# Altium PCB SDR.PcbDoc (part 2 of 5)
Units mil, origin at the board's own origin, x right, y up, seen from the top; angles counter-clockwise.
Board outline 5725 x 2750 mil, 6 copper layers (Top Layer, Mid-Layer 1, Mid-Layer 2, Mid-Layer 3, Mid-Layer 4, Bottom Layer), stack 58.26 mil thick; 401 components, 323 nets, 1707 pads, 954 vias.
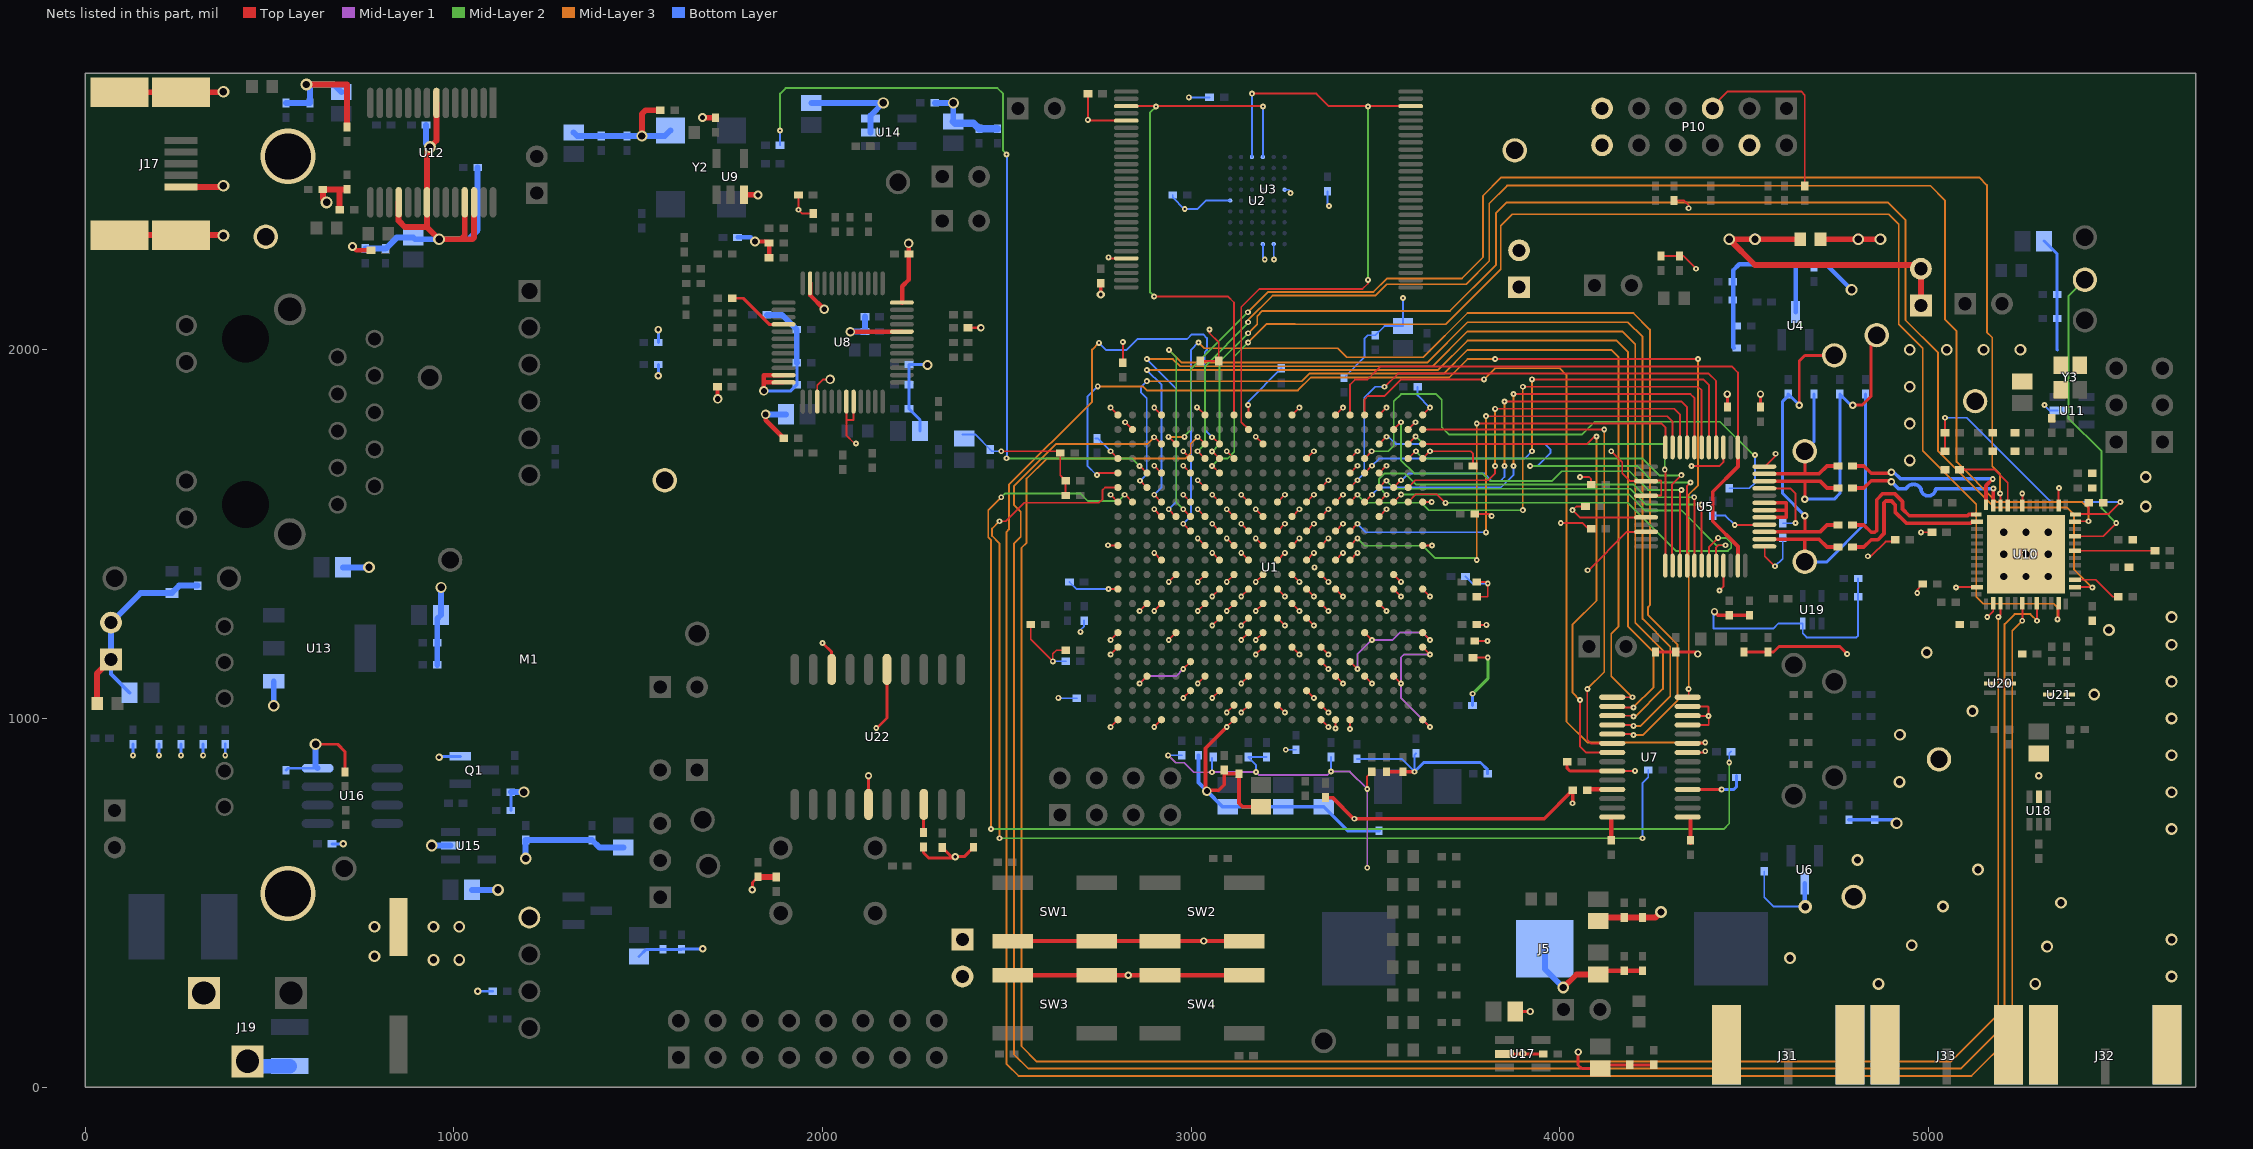
[diagram p6: the nets of this part, all layers, seen from the top]

## Footprints (in the part's own frame and the unit in brackets; to place one, negate y for a bottom-side part, rotate by r counter-clockwise, add the part's x,y. Pads: shape width x height; smd on the part's side, far side on the other; paste and mask are expansions set on the pad) (continued)
SOT223-4L [mil] "SOT223, 4-Leads, Body 6.5x3.5mm, Pitch 2.3mm, Lead Span 7mm, IPC High Density"
  rect 59x39 smd: 1(-124,90) 2(-124,0) 3(-124,-90)
  rect 59x129 smd: 4(124,0)
  silkscreen extent -117,-132 65,135, body extent -73,-132 73,132, height 71
SOT353-5N [mm] "SOT353, 5-Leads, Body 2x1.3mm, Pitch 0.65mm, Lead Span 2.1mm, IPC Medium Density"
  rect 0.85x0.4 smd: 1(-0.95,0.65) 2(-0.95,0) 3(-0.95,-0.65) 4(0.95,-0.65) 5(0.95,0.65)
  silkscreen extent -1.07,-1.1 0.15,1.53, body extent -0.7,-1.1 0.7,1.1, height 1.1
SOT363-6N [mm] "SOT363, 6-Leads, Body 2x1.3mm, Pitch 0.65mm, Lead Span 2.1mm, IPC Medium Density"
  rect 0.85x0.4 smd: 1(-0.95,0.65) 2(-0.95,0) 3(-0.95,-0.65) 4(0.95,-0.65) 5(0.95,0) 6(0.95,0.65)
  silkscreen extent -1.07,-1.1 0.15,1.53, body extent -0.7,-1.1 0.7,1.1, height 1
SSOP65P780X200-28N [mm] "SSOP, 28-Leads, Body 10.3x5.6mm (max), Pitch 0.65mm, IPC Medium Density"
  rect 2.1x0.45 smd: 1(-3.425,4.225)
  oval 2.1x0.45 smd: 2(-3.425,3.575) 3(-3.425,2.925) 4(-3.425,2.275) 5(-3.425,1.625) 6(-3.425,0.975) 7(-3.425,0.325) 8(-3.425,-0.325) 9(-3.425,-0.975) 10(-3.425,-1.625) 11(-3.425,-2.275) 12(-3.425,-2.925) 13(-3.425,-3.575) 14(-3.425,-4.225) 15(3.425,-4.225) 16(3.425,-3.575) 17(3.425,-2.925) 18(3.425,-2.275) 19(3.425,-1.625) 20(3.425,-0.975) 21(3.425,-0.325) 22(3.425,0.325) 23(3.425,0.975) 24(3.425,1.625) 25(3.425,2.275) 26(3.425,2.925) 27(3.425,3.575) 28(3.425,4.225)
  silkscreen extent -3.55,-5.15 1.97,5.15, body extent -2.8,-5.17 2.8,5.17, height 2
STS1400PC04 [mm] "Slide Switch 4 pos"
  round 1.25 hole 0.89: 1(0,0) 2(2.48,0) 3(7.48,0) 4(9.96,0) 5(12.44,0)
  silkscreen extent -4,-3.05 13.94,3.05, body extent -4,-3 13.9,3, height 9.21
TestPoint [mm]
  round 1.68 hole 1.2: 1(0,0)
  body extent -1.26,-1.27 1.27,1.27, height 4.57
TQFN-48 [mm]
  rect 0.75x0.3 smd: 1(-3.425,2.75) 12(-3.425,-2.75) 25(3.425,-2.75) 36(3.425,2.75)
  rect 0.85x0.3 smd: 2(-3.375,2.25) 3(-3.375,1.75) 4(-3.375,1.25) 5(-3.375,0.75) 6(-3.375,0.25) 7(-3.375,-0.25) 8(-3.375,-0.75) 9(-3.375,-1.25) 10(-3.375,-1.75) 11(-3.375,-2.25) 26(3.375,-2.25) 27(3.375,-1.75) 28(3.375,-1.25) 29(3.375,-0.75) 30(3.375,-0.25) 31(3.375,0.25) 32(3.375,0.75) 33(3.375,1.25) 34(3.375,1.75) 35(3.375,2.25)
  rect 0.3x0.75 smd: 13(-2.75,-3.425) 24(2.75,-3.425) 37(2.75,3.425) 48(-2.75,3.425)
  rect 0.3x0.85 smd: 14(-2.25,-3.375) 15(-1.75,-3.375) 16(-1.25,-3.375) 17(-0.75,-3.375) 18(-0.25,-3.375) 19(0.25,-3.375) 20(0.75,-3.375) 21(1.25,-3.375) 22(1.75,-3.375) 23(2.25,-3.375) 38(2.25,3.375) 39(1.75,3.375) 40(1.25,3.375) 41(0.75,3.375) 42(0.25,3.375) 43(-0.25,3.375) 44(-0.75,3.375) 45(-1.25,3.375) 46(-1.75,3.375) 47(-2.25,3.375)
  rect 5.4x5.4 smd: 49(0,0)
  silkscreen extent -3.96,-3.5 3.5,3.5, body extent -3.62,-3.62 3.62,3.62, height 1
TSQFP50P900X900X160-48N [mm] "TSQFP, 48-Leads, Body 9.0x9.0mm (max), Pitch 0.50mm, IPC Medium Density"
  oval 1.65x0.3 smd: 1(-4.075,2.75) 2(-4.075,2.25) 3(-4.075,1.75) 4(-4.075,1.25) 5(-4.075,0.75) 6(-4.075,0.25) 7(-4.075,-0.25) 8(-4.075,-0.75) 9(-4.075,-1.25) 10(-4.075,-1.75) 11(-4.075,-2.25) 12(-4.075,-2.75) 25(4.075,-2.75) 26(4.075,-2.25) 27(4.075,-1.75) 28(4.075,-1.25) 29(4.075,-0.75) 30(4.075,-0.25) 31(4.075,0.25) 32(4.075,0.75) 33(4.075,1.25) 34(4.075,1.75) 35(4.075,2.25) 36(4.075,2.75)
  oval 0.3x1.65 smd: 13(-2.75,-4.075) 14(-2.25,-4.075) 15(-1.75,-4.075) 16(-1.25,-4.075) 17(-0.75,-4.075) 18(-0.25,-4.075) 19(0.25,-4.075) 20(0.75,-4.075) 21(1.25,-4.075) 22(1.75,-4.075) 23(2.25,-4.075) 24(2.75,-4.075) 37(2.75,4.075) 38(2.25,4.075) 39(1.75,4.075) 40(1.25,4.075) 41(0.75,4.075) 42(0.25,4.075) 43(-0.25,4.075) 44(-0.75,4.075) 45(-1.25,4.075) 46(-1.75,4.075) 47(-2.25,4.075) 48(-2.75,4.075)
  silkscreen extent -4.2,-2.85 2.85,3.57, body extent -3.5,-3.5 3.5,3.5, height 1.6
TSSOP50P2000X120-56N [mm] "TSSOP, 56-Leads, Body 14.1x18.5mm (max), Pitch 0.50mm, IPC Medium Density"
  oval 1.7x0.3 smd: 1(-9.8,6.75) 2(-9.8,6.25) 3(-9.8,5.75) 4(-9.8,5.25) 5(-9.8,4.75) 6(-9.8,4.25) 7(-9.8,3.75) 8(-9.8,3.25) 9(-9.8,2.75) 10(-9.8,2.25) 11(-9.8,1.75) 12(-9.8,1.25) 13(-9.8,0.75) 14(-9.8,0.25) 15(-9.8,-0.25) 16(-9.8,-0.75) 17(-9.8,-1.25) 18(-9.8,-1.75) 19(-9.8,-2.25) 20(-9.8,-2.75) 21(-9.8,-3.25) 22(-9.8,-3.75) 23(-9.8,-4.25) 24(-9.8,-4.75) 25(-9.8,-5.25) 26(-9.8,-5.75) 27(-9.8,-6.25) 28(-9.8,-6.75) 29(9.8,-6.75) 30(9.8,-6.25) 31(9.8,-5.75) 32(9.8,-5.25) 33(9.8,-4.75) 34(9.8,-4.25) 35(9.8,-3.75) 36(9.8,-3.25) 37(9.8,-2.75) 38(9.8,-2.25) 39(9.8,-1.75) 40(9.8,-1.25) 41(9.8,-0.75) 42(9.8,-0.25) 43(9.8,0.25) 44(9.8,0.75) 45(9.8,1.25) 46(9.8,1.75) 47(9.8,2.25) 48(9.8,2.75) 49(9.8,3.25) 50(9.8,3.75) 51(9.8,4.25) 52(9.8,4.75) 53(9.8,5.25) 54(9.8,5.75) 55(9.8,6.25) 56(9.8,6.75)
  silkscreen extent -9.93,-7.05 8.55,7.57, body extent -9.25,-7.05 9.25,7.05, height 1.2

## Part data
C1 C2 C3 C4 C5 C6 C9 C10 C11 C12 C14 C15 C16 C17 C18 C19 C20 C21 C22 C23 C24 C25 C26 C27 C28 C29 C30 C31 C32 C33 C34 C35 C36 C37 C38 C39 C40 C41 C42 C43 C44 C45 C46 C50 C51 C54 C55 C56 C57 C58 C59 C60 C61 C62 C63 C64 C65 C66 C67 C68 C69 C70 C71 C72 C73 C74 C75 C76 C77 C78 C79 C80 C81 C82 C83 C84 C85 C86 C87 C88 C89 C90 C91 C93 C94 C95 C96 C98 C99 C100 C102 C103 C104 C105 C106 C107 C108 C109 C110 C112 C113 C114 C115 C116 C117 C118 C119 C120 C121 C122 C124 C125 C126 C127 C128 C130 C133 C134 C135 C136 C137 C138 C139 C140 C141 C142 C143 C144 C146 C147 C148 C149 C150 C151 C154 C155 C156 C157 C158 C162 C163 C164 C167 C168 C169 C170 C171 C172 C174 C175 C177 C178 C180 C181 C182 C184 C185 C186 C189 C190 C191: library part "Cap Semi", "Capacitor (Semiconductor SIM Model)"
C7 C8 C13 C47 C48 C49 C52 C53 C92 C97 C101 C123 C129 C131 C145 C152 C153 C159 C160 C161 C165 C166 C173 C176 C179 C183: library part "Cap Pol3", "Polarized Capacitor (Surface Mount)"
C111: library part Cap
C132 C187 C188: "Capacitor (Semiconductor SIM Model)"
D1 D2 D3 D4 D5 D6 D7 D8 D9 D10: "Typical RED, GREEN, YELLOW, AMBER GaAs LED"
FB1 FB2 FB3 FB4 FB5 FB6 FB7 FB8 FB9 FB10 FB11 FB12: library part "Ferrite Bead", "FERRITE CHIP 30 OHM 1000MA 0603"
J1 J2 J3 J4 J6 J7 J8 J9 J11 J12 J13 J14 J15 J16 J18 J20 J21 J22 J23 J24 J25 J26 J27 J28 J29 J30 J34: library part TestPoint, "TEST POINT PC MINI .040\"D YELLOW"
J5: "HOLDER BATTERY COIN 20MM DIA SMD"
J10: library part "Ethernet Jack PoE", "CONN RJ45 8-8 W/TRANSFORMER"
J17: library part "Mini USB", "CONN RECEPT MINIUSB R/A 5POS SMD"
J19: "CONN PWR JACK 2.1X5.5MM HIGH CUR"
J31 J32 J33: library part SMA_connector, "CONN JACK END LAUNCH PC GOLD SMA"
L1 L2 L3: library part Inductor, "Inductor"
L4: library part Inductor
M1: "Silver Telecom AG9205S POE"
P1 P2 P3 P4 P5 P6 P7 P8 P9 P10 P11 P12 P13 P14 P15 P16 P17 P18 P19 P20 P21: "100 mils standard header"
Q1 Q2: "TRANSISTOR NPN GP 40V SOT23"
R1 R2 R4 R5 R6 R7 R8 R9 R10 R11 R12 R13 R14 R15 R16 R17 R18 R19 R20 R21 R22 R23 R24 R25 R26 R27 R28 R29 R30 R32 R33 R34 R35 R36 R37 R38 R39 R40 R41 R42 R43 R44 R45 R46 R49 R50 R51 R52 R53 R54 R55 R56 R57 R58 R59 R60 R61 R62 R63 R64 R65 R66 R67 R68 R69 R70 R71 R72 R73 R74 R75 R76 R77 R78 R79 R80 R81 R82 R83 R84 R85 R86 R87 R88 R89 R90 R91 R92 R93: library part Res3, "Resistor"
R3 R31 R47 R48 R94 R95: "Resistor"
SW1 SW2 SW3 SW4 SW5: "Switch"
SW6: "Switch Slide 4 postions"
U1: library part F2-200_500-FGG484_1, "FPGA - Field Programmable Gate Array 500K System Gates"
U2: library part "MT45W8MW16BGX-701 IT", "IC PSRAM 128MBIT 70NS 54VFBGA"
U3: library part S29GL064N, "Flash 3V 64Mb Float Gate highest address 90s"
U4 U6: library part MAX6061, "IC REF VOLT LDO SOT23-3"
U5: library part AD9288, "IC ADC 8BIT DUAL 100MSPS 48-LQFP"
U7: library part MAX5189, "IC DAC 8BIT DUAL 40MHZ 28-QSOP"
U8: "IC TXRX PHY 10/100 3.3V 48-LQFP"
U9: library part SN74LVC1G04DBV, "IC SINGLE INVERTER-GATE SOT-23-5"
U10: library part MAX2831, "RF Transceiver 2.4-2.5GHz 802.11g/b RF Transceiver"
U11: "IC ADC 8BIT 1MSPS SOT23-6"
U12: "USB to UART interface in SSOP-28 package"
U13: library part LT1117-3.3, "IC REG LDO 3.3V SOT-223"
U14: library part "TPS789 LDO", "IC 1.8V 100MA LDO REG SOT-23-5"
U15: library part TPS731, "IC LDO REG 150MA 1.5V SOT23-5"
U16: "IC SUPPLY VOLT SUPERVISOR 8-SOIC"
U17: library part REG102/103/104, "IC REG LDO 2.85V 250MA SOT23-5"
U18: "IC SW SPDT 0.1-3GHZ GAAS SC88"
U19: "IC UNBUFFERED INVERTER LP 5TSSOP"
U20 U21: library part "TDK chip Balun", "XFRMR BALUN RF 2.4GHZ SMD"
U22: "IC REAL TIME CLK/CALENDAR 20SOIC"
Y1: library part ABM3, "CRYSTAL 20.000MHZ 18PF SMD"
Y2: library part CB3_CB3LV, "OSC 50.000 MHZ 3.3V SMD"
Y3: library part CX-2520SB, "CRYSTAL 40.000MHZ 12PF SMD"

## Via types
v1: diameter 16, hole 6, Top Layer to Bottom Layer, 767 vias
v2: diameter 32, hole 20, Top Layer to Bottom Layer, 74 vias
v3: diameter 20, hole 10, Top Layer to Bottom Layer, 59 vias
v4: diameter 26, hole 16, Top Layer to Bottom Layer, 14 vias
v5: diameter 36, hole 20, Top Layer to Bottom Layer, 12 vias
v6: diameter 24, hole 14, Top Layer to Bottom Layer, 7 vias
v7: diameter 22, hole 12, Top Layer to Bottom Layer, 6 vias
v8: diameter 30, hole 20, Top Layer to Bottom Layer, 5 vias
v9: diameter 150, hole 125, Top Layer to Bottom Layer, 4 vias
v10: diameter 26, hole 14, Top Layer to Bottom Layer, 2 vias
v11: diameter 20, hole 8, Top Layer to Bottom Layer, 1 vias
v12: diameter 18, hole 8, Top Layer to Bottom Layer, 1 vias
v13: diameter 22, hole 10, Top Layer to Bottom Layer, 1 vias
v14: diameter 29, hole 16, Top Layer to Bottom Layer, 1 vias

## Nets (pads, with @x,y where several pads share a name; then routed paths per layer and width w, separated by ;. In a path a pad name is that pad's centre, name@x,y a point inside that pad or via, vN(x,y) a via of type N, cw(c..) or ccw(c..) an arc to the next point about the centre after c; other vN are vias at no path point)
ADC_A0: U1.C21 U5.37 | length 1041.9
  Top Layer w5: U1.C21@3589.02,1744.65 v1(3609.37,1765) ; v1(4285,1675) 4286.73,1673.27 U5.37@4286.73,1414.57 U5.37@4286.73,1413.58
  Mid-Layer 2 w5: v1(3609.37,1765) 3629.37,1745 4280,1745 4285,1740 v1(4285,1675)
ADC_A1: U1.D21 U5.38 | length 1033.8
  Top Layer w5: U1.D21@3589.02,1705.28 3609.37,1725.63 v1@3611.04,1727.3 ; U5.38@4305,1415 4305,1635 v1(4330,1660)
  Mid-Layer 2 w5: v1(3610,1725) 3630,1705 4225,1705 4270.5,1659.5 4329.5,1659.5 v1(4330,1660)
ADC_A2: U1.B20 U5.39 | length 1154.5
  Top Layer w5: U1.B20@3549.65,1784.02 v1(3569.33,1803.7) ; U5.39@4326.1,1413.58 U5.39@4326.1,1414.57 4326.1,1616.1 v1(4330,1620)
  Mid-Layer 2 w5: v1(3569.33,1803.7) 3569.33,1700.67 3605,1665 3790,1665 3810.5,1644.5 3979.5,1644.5 4005.5,1670.5 4189.5,1670.5 4240,1620 v1(4330,1620)
ADC_A3: U1.C19 U5.40 | length 1250.5
  Top Layer w5: U1.C19@3510.28,1744.65 v1(3530,1764.37) ; U5.40@4345.79,1413.58 U5.40@4345.79,1414.57 4345.79,1630.79 v1(4355,1640)
  Mid-Layer 2 w5: v1(3920,1685) 4210,1685 4255,1640 v1(4355,1640)
  Bottom Layer w5: v1(3530,1764.37) 3535.63,1764.37 3555,1745 3960,1745 3975,1730 3975,1720 3940,1685 v1(3920,1685)
ADC_A4: U1.G19 U5.41 | length 1160.4
  Top Layer w5: U1.G19@3510.28,1587.17 v1(3530,1606.89) ; v1(4365,1600) 4365.47,1599.53 U5.41@4365.47,1414.57 U5.41@4365.47,1413.58
  Mid-Layer 2 w5: v1(3530,1606.89) 3510,1626.89 3510,1650 3525,1665 3580,1665 3610.5,1634.5 4200.5,1634.5 4235,1600 v1(4365,1600)
  Bottom Layer w5: v1@4360.5,1604.5 v1(4365,1600)
ADC_A5: U1.F19 U5.42 | length 1075.6
  Top Layer w5: U1.F19@3510.28,1626.54 3528.74,1645 v1(3530,1645) ; U5.42@4385,1413.74 4385,1414.57 v1(4385,1580)
  Mid-Layer 2 w5: v1(3530,1645) 3551.98,1623.02 4191.98,1623.02 4235,1580 v1(4385,1580)
ADC_A6: U1.G21 U5.43 | length 1093.4
  Top Layer w5: U1.G21@3589.02,1587.17 3610,1608.15 3666.85,1608.15 v1(3690,1585) ; U5.43@4404.84,1413.58 U5.43@4404.84,1414.57 4404.84,1464.84 v1(4430,1490)
  Mid-Layer 2 w5: v1(3690,1585) 4185,1585 4315.5,1454.5 4456.42,1454.5 4465.5,1463.58 4465.5,1476.42 4451.92,1490 v1(4430,1490)
ADC_A7: U1.G20 U5.44 | length 1044.4
  Top Layer w5: U1.G20@3549.65,1587.17 v1(3570,1607.52) ; U5.44@4424.53,1413.58 U5.44@4424.53,1414.57 4424.53,1464.53 4430,1470 v1(4450,1470)
  Mid-Layer 2 w5: v1(3570,1607.52) 4188.34,1607.52 4231.36,1564.5 4330.5,1564.5 4425,1470 v1(4450,1470)
ADC_B0: U1.K17 U5.24 | length 1315.4
  Top Layer w5: U1.K17@3431.54,1469.06 v1(3451.22,1488.74) ; v1(3775,1800) 4276.73,1800 4286.73,1790 U5.24@4286.73,1736.42
  Mid-Layer 2 w5: v1(3451.22,1488.74) 3471.48,1468.48 3628.52,1468.48 3661.5,1435.5 3769.5,1435.5 v1(3775,1430)
  Mid-Layer 3 w5: v1(3775,1430) v1(3775,1800)
ADC_B1: U1.J17 U5.23 | length 1282.4
  Top Layer w5: U1.J17@3431.54,1508.43 v1(3451.22,1528.11) ; v1(3800,1820) 4291.42,1820 4306.42,1805 U5.23@4306.42,1736.42
  Mid-Layer 3 w5: v1(3800,1505) v1(3800,1820)
  Bottom Layer w5: v1(3451.22,1528.11) 3474.33,1505 v1(3800,1505)
ADC_B2: U1.F21 U5.22 | length 1022.8
  Top Layer w5: U1.F21@3589.02,1626.54 3608.7,1646.22 3806.22,1646.22 3825,1665 v1(3825,1685) ; v1(3825,1840) 4311.1,1840 4326.1,1825 U5.22@4326.1,1736.42
  Mid-Layer 3 w5: v1(3825,1685) v1(3825,1840)
ADC_B3: U1.F20 U5.21 | length 1143.8
  Top Layer w5: U1.F20@3549.65,1626.54 v1(3569.33,1646.22) ; v1(3850,1860) 4330,1860 4345.79,1844.21 U5.21@4345.79,1736.42
  Mid-Layer 3 w5: v1(3850,1685) v1(3850,1860)
  Bottom Layer w5: v1(3569.33,1646.22) 3571.22,1646.22 3590,1665 3795,1665 3815,1645 3840,1645 3850,1655 v1(3850,1685)
ADC_B4: U1.G18 U5.20 | length 1276.3
  Top Layer w5: U1.G18@3470.91,1587.17 v1(3490.59,1606.85) ; v1(3875,1880) 4355,1880 4365.47,1869.53 U5.20@4365.47,1736.42
  Mid-Layer 3 w5: v1(3875,1685) v1(3875,1880)
  Bottom Layer w5: v1(3490.59,1606.85) 3510.28,1626.54 3840,1626.54 3875,1661.54 v1@3875,1680
ADC_B5: U1.G17 U5.19 | length 1471.7
  Top Layer w5: U1.G17@3431.54,1587.17 v1(3451.22,1606.85) ; v1(3900,1900) 4375,1900 4385.16,1889.84 U5.19@4385.16,1736.42
  Mid-Layer 2 w5: v1(3451.22,1606.85) 3473.07,1585 3625,1585 3645,1565 v1(3900,1565)
  Mid-Layer 3 w5: v1(3900,1565) v1(3900,1900)
ADC_B6: U1.E18 U5.18 | length 1328.3
  Top Layer w5: U1.E18@3470.91,1665.91 v1(3490.59,1685.59) ; v1(3925,1920) 4390,1920 4404.84,1905.16 U5.18@4404.84,1736.42
  Mid-Layer 3 w5: v1(3925,1725) v1(3925,1920)
  Bottom Layer w5: v1(3490.59,1685.59) 3510,1705 3905,1705 v1(3925,1725)
ADC_B7: U1.F17 U5.17 | length 1428.8
  Top Layer w5: U1.F17@3431.54,1626.54 v1(3451.22,1646.22) ; v1(3525,1900) 3525.5,1899.5 3561.5,1935.5 4404.5,1935.5 4424.53,1915.47 U5.17@4424.53,1736.42
  Bottom Layer w5: v1(3451.22,1646.22) 3470,1665 3470,1870 3500,1900 v1(3525,1900)
ADC_CLK: U1.A17 U5.14 U5.47 | length 1743.6
  Top Layer w5: U1.A17@3431.54,1823.39 3431.54,1906.04 3445,1919.5 3478.64,1919.5 3514.14,1955 4467.17,1955 4483.58,1938.58 U5.14@4483.58,1735.43
  Top Layer w10: U5.47@4483.58,1413.58 U5.47@4483.58,1414.57 4483.58,1466.42 4415,1535 4415,1615 4483.58,1683.58 U5.14@4483.58,1735.43
ADC_DFS: R10.2 U5.4 | length 151.2
  Top Layer w5: v1(4475,1525) 4554.65,1525 U5.4@4555.43,1525.79
  Bottom Layer w5: R10.2@4415,1550.31 4449.69,1550.31 v1(4475,1525)
ADC_REF: U5.5 U5.6 U5.7 | length 214.5
  Top Layer w10: U5.5@4556.42,1545.47 4614.53,1545.47 4614.84,1545.79 4614.84,1565.16 ; U5.6@4556.42,1565.16 4614.84,1565.16 ; U5.7@4556.42,1584.84 4614.84,1584.84 4614.84,1565.16
ADC_RX_I_BIAS_N: C63.2 J2.1 R5.1 U5.3 | length 867.8
  Top Layer w8: v3(4650,1850) 4650,1970 4665,1985 J2.1@4745,1985 ; 4665,1506.42 v3(4665,1550)
  Top Layer w10: U5.3@4556.42,1506.1 4706.1,1506.1 4725,1525 C63.2@4747.44,1525
  Bottom Layer w8: v3(4650,1850) 4650,1850.32 R5.1@4620,1880.32 4620,1875.32 4605,1860.32 4605,1610 v3(4665,1550)
ADC_RX_I_BIAS_P: C62.2 J1.1 R4.1 U5.2 | length 809.8
  Top Layer w10: U5.2@4556.42,1486.42 4703.58,1486.42 4725,1465 C62.2@4747.44,1465 ; J1.1@4665,1435 4665,1486.1
  Bottom Layer w8: J1.1@4665,1425 4725,1425 4830,1530 R4.1@4830,1880.32
ADC_RX_I_N: C63.1 U10.37 | length 466.1
  Top Layer w10: C63.1@4802.56,1525 4825,1525 4845,1505 4855,1505 4860,1510 4860,1593.28 4876.72,1610 4908.28,1610 4930,1588.28 4930,1568.28 4948.28,1550 5106.73,1550 5110,1553.27 U10.37@5130.16,1553.27
ADC_RX_I_P: C62.1 U10.38 | length 466.1
  Top Layer w10: C62.1@4802.56,1465 4825,1465 4845,1485 4863.28,1485 4880,1501.72 4880,1585 4885,1590 4900,1590 4910,1580 4910,1560 4940,1530 5115.02,1530 5118.28,1533.27 U10.38@5130.16,1533.27
ADC_RX_Q_BIAS_N: C66.2 J3.1 R6.1 U5.10 | length 886.9
  Top Layer w8: v3(4665,1595) 4665,1643.58 ; v3(4795,1850) 4820,1850 4845,1875 J3.1@4845,2035
  Top Layer w10: U5.10@4556.42,1643.9 4706.1,1643.9 4725,1625 C66.2@4747.44,1625
  Bottom Layer w8: v3(4665,1595) 4745,1595 4760,1610 R6.1@4760,1880.32 4790.32,1850 v3(4795,1850)
ADC_RX_Q_BIAS_P: C68.2 J4.1 R7.1 U5.11 | length 427
  Top Layer w8: 4665,1663.58 J4.1@4665,1725
  Top Layer w10: U5.11@4556.42,1663.58 4665,1663.58 4703.58,1663.58 4725,1685 C68.2@4747.44,1685
  Bottom Layer w8: J4.1@4665,1725 4690,1750 R7.1@4690,1880.32
ADC_RX_Q_N: C66.1 U10.35 | length 467.1
  Top Layer w10: C66.1@4802.56,1625 4825,1625 4845,1645 4897,1645 v3(4900,1642) ; U10.35@5176.42,1577.87 v1(5176.42,1623.58)
  Bottom Layer w10: v3(4900,1642) 4918.42,1623.58 4940,1623.58 cw(c4960,1611.78) 4980,1623.58 ccw(c5000,1623.89) 5020,1623.58 v1(5176.42,1623.58)
ADC_RX_Q_P: C68.1 U10.36 | length 467.1
  Top Layer w10: C68.1@4802.56,1685 4825,1685 4845,1665 4897,1665 v3(4900,1668) ; U10.36@5156.73,1579.84 5156.73,1631.73 v1(5175,1650)
  Bottom Layer w10: v3(4900,1668) 4906.53,1668 4924.53,1650 v1(5175,1650)
ADC_S1: R8.1 U1.D18 | length 1501.8
  Top Layer w5: U1.D18@3470.91,1705.28 3490,1724.37 v1(3490,1725)
  Mid-Layer 2 w5: v1(3490,1725) 3535,1725 3550,1740 3550,1860 3570,1880 3665,1880 3680,1865 3680,1790 3700,1770 4060,1770 4095,1805 4435,1805 4527.5,1712.5 4530,1710 v1(4530,1715)
  Bottom Layer w5: R8.1@4460,1624.68 4514.69,1624.68 4530,1640 v1(4530,1715)
ADC_S2: R9.2 U5.9 | length 205.6
  Top Layer w5: U5.9@4555.43,1624.21 4625.79,1624.21 4640,1610 v1(4640,1530)
  Bottom Layer w5: R9.2@4605,1529.69 4639.69,1529.69 v1(4640,1530)
AGND: C5.1 C6.1 C7.2 C11.1 C12.1 C13.2 C39.1 C40.1 C41.1 C42.1 C43.1 C44.1 C45.1 C46.1 C47.2 C48.2 C49.2 C53.2 C56.1 C57.1 C58.1 C61.1 C72.1 C73.1 C74.1 C77.1 C78.1 C79.1 C80.1 C87.1 C88.2 C116.2 C117.2 C118.2 C121.1 C122.1 C123.2 C124.1 C125.2 C126.2 C127.1 C128.1 C129.2 C130.1 C131.2 C132.2 C133.1 C134.1 C137.1 C138.1 C139.1 C140.1 C141.1 C181.1 C182.1 C183.2 FB1.1 J5.neg J24.1 J25.1 J26.1 J31.2 J32.2 J33.2 R3.1 R12.2 U1.AA9 U1.AA10 U1.AA12 U1.AA15 U1.AB9 U1.AB15 U1.AB16 U1.AB17 U1.T10 U1.T11 U1.U11 U1.U13 U1.U15 U1.V15 U1.W7 U1.W10 U1.W16 U1.W18 U1.Y6 U1.Y8 U1.Y14 U4.3 U6.3 U7.4 U10.2 U10.26 U10.31 U10.47 U10.49 U11.2 U18.2 U20.2 U20.5 U21.2 U21.5 Y3.2 Y3.3 Y3.4 | length 6138.4
  Top Layer w5: v1(2978.78,1055.67) U1.Y6@2998.46,1075.35 ; v1(3018.15,1095.04) U1.W7@3037.83,1114.72 ; v1(3057.52,1055.67) U1.Y8@3077.2,1075.35 ; v1(3096.89,976.93) U1.AB9@3116.57,996.61 ; v1(3096.89,1016.3) U1.AA9@3116.57,1035.98 ; v1(3136.26,1016.3) U1.AA10@3155.94,1035.98 ; v1(3136.26,1095.04) U1.W10@3155.94,1114.72 ; v1(3136.26,1213.15) U1.T10@3155.94,1232.83 ; v1(3175.63,1173.78) U1.U11@3195.32,1193.46 ; v1(3175.63,1213.15) U1.T11@3195.32,1232.83 ; U1.AA12@3234.69,1035.98 v1(3254.37,1016.3) ; U1.U13@3274.06,1193.46 v1(3293.74,1173.78) ; U1.Y14@3313.43,1075.35 v1(3333.11,1055.67) ; U1.AB15@3352.8,996.61 v1(3372.48,976.93) ; U1.AA15@3352.8,1035.98 v1(3372.48,1016.3) ; U1.V15@3352.8,1154.09 v1(3372.48,1134.41) ; U1.U15@3352.8,1193.46 v1(3372.48,1173.78) ; v1(3392.17,972.83) U1.AB16@3392.17,996.61 ; U1.W16@3392.17,1114.72 v1(3411.85,1095.04) ; v1(3431.54,971.54) U1.AB17@3431.54,996.61 ; U1.W18@3470.91,1114.72 v1(3490.59,1095.04) ; v1(4836,1440) 4844.39,1440 4884.39,1480 C117.2@4905.31,1480 ; v1(4970,1340) 4970,1349.68 C116.2@4985.31,1365 ; v1(4980,1505) C118.2@5010.31,1505 ; v1(5075,1355) 5076.42,1356.42 U10.47@5132.13,1356.42 ; v1(5160,1275) 5176.42,1291.42 U10.2@5176.42,1312.13 ; v1(5255,1610) 5255.16,1609.84 U10.31@5255.16,1577.87 ; U10.26@5353.58,1577.87 5353.58,1623.58 v1(5355,1625)
  Top Layer w8: v3(4050,95) 4050,60 4060,50 4060.47,50.47 C183.2@4110,50.47 4119.84,60.31 C181.1@4190,60.31 C182.1@4255,60.31 ; U7.4@4347.36,807.5 v1(4439.5,807.5) ; C77.1@4500,1180.32 C78.1@4565,1180.32 4580.31,1180.32 4595,1195 4760,1195 v1(4780,1175)
  Top Layer w10: v4@3040,803 v4(3043,803) ; C41.1@3090,860.32 C41.1@3090,850.32 ; v1(3096.89,976.93) 3039,919.04 3039,807 v4(3043,803) ; C48.2@3190,760.47 3139.53,760.47 3130,770 C39.1@3130,850.32 C41.1@3090,850.32 ; C45.1@3365,785.32 3383.68,785.32 3441,728 v1(3443,728) 3958,728 C87.1@4035.16,805.16 ; C40.1@3530,855.32 C43.1@3575,855.32 v1(3606.32,855.32) ; v1(4035,770) 4035.31,770.32 C87.1@4035.31,805 ; v4(3043,803) 3045,805 3075,805 3090,820 C41.1@3090,850.32
  Top Layer w12: C7.2@4114.84,315.32 C6.1@4175,315.32 C5.1@4225,315.32
  Top Layer w16: v2(4010,270) 4045.47,305.47 C7.2@4105,305.47 ; C13.2@4114.84,460.32 C11.1@4175,460.32 C12.1@4225,460.32 4260.31,460.32 v2(4275,475) ; FB1.1@4707.56,2300 v2(4810,2300) v2(4870,2300)
  Bottom Layer w5: v1(3257,915) 3257.32,915.32 C42.1@3285,915.32 ; C46.1@3450,890.32 3571.32,890.32 v1(3606.32,855.32) 3606.32,901.63 C74.1@3610,905.32 ; C79.1@4555,585.32 4555,515 4580,490 v5@4665,490 ; v1(5315,1850) 5330,1835 U11.2@5350.63,1835
  Bottom Layer w8: v1(3606.32,855.32) 3631.32,880.32 3785,880.32 3804.68,860.63 C73.1@3804.68,850 ; v1(4439.5,807.5) 4472.5,807.5 4479.69,814.69 C88.2@4479.69,840 C88.2@4479.69,845 ; C123.2@5314.53,2295 5349.69,2259.84 C122.1@5349.69,2150 C121.1@5349.69,2085 5349.69,2000.32 5350,2000